# KiCad board !HDMI2USB.kicad_pcb (continued)
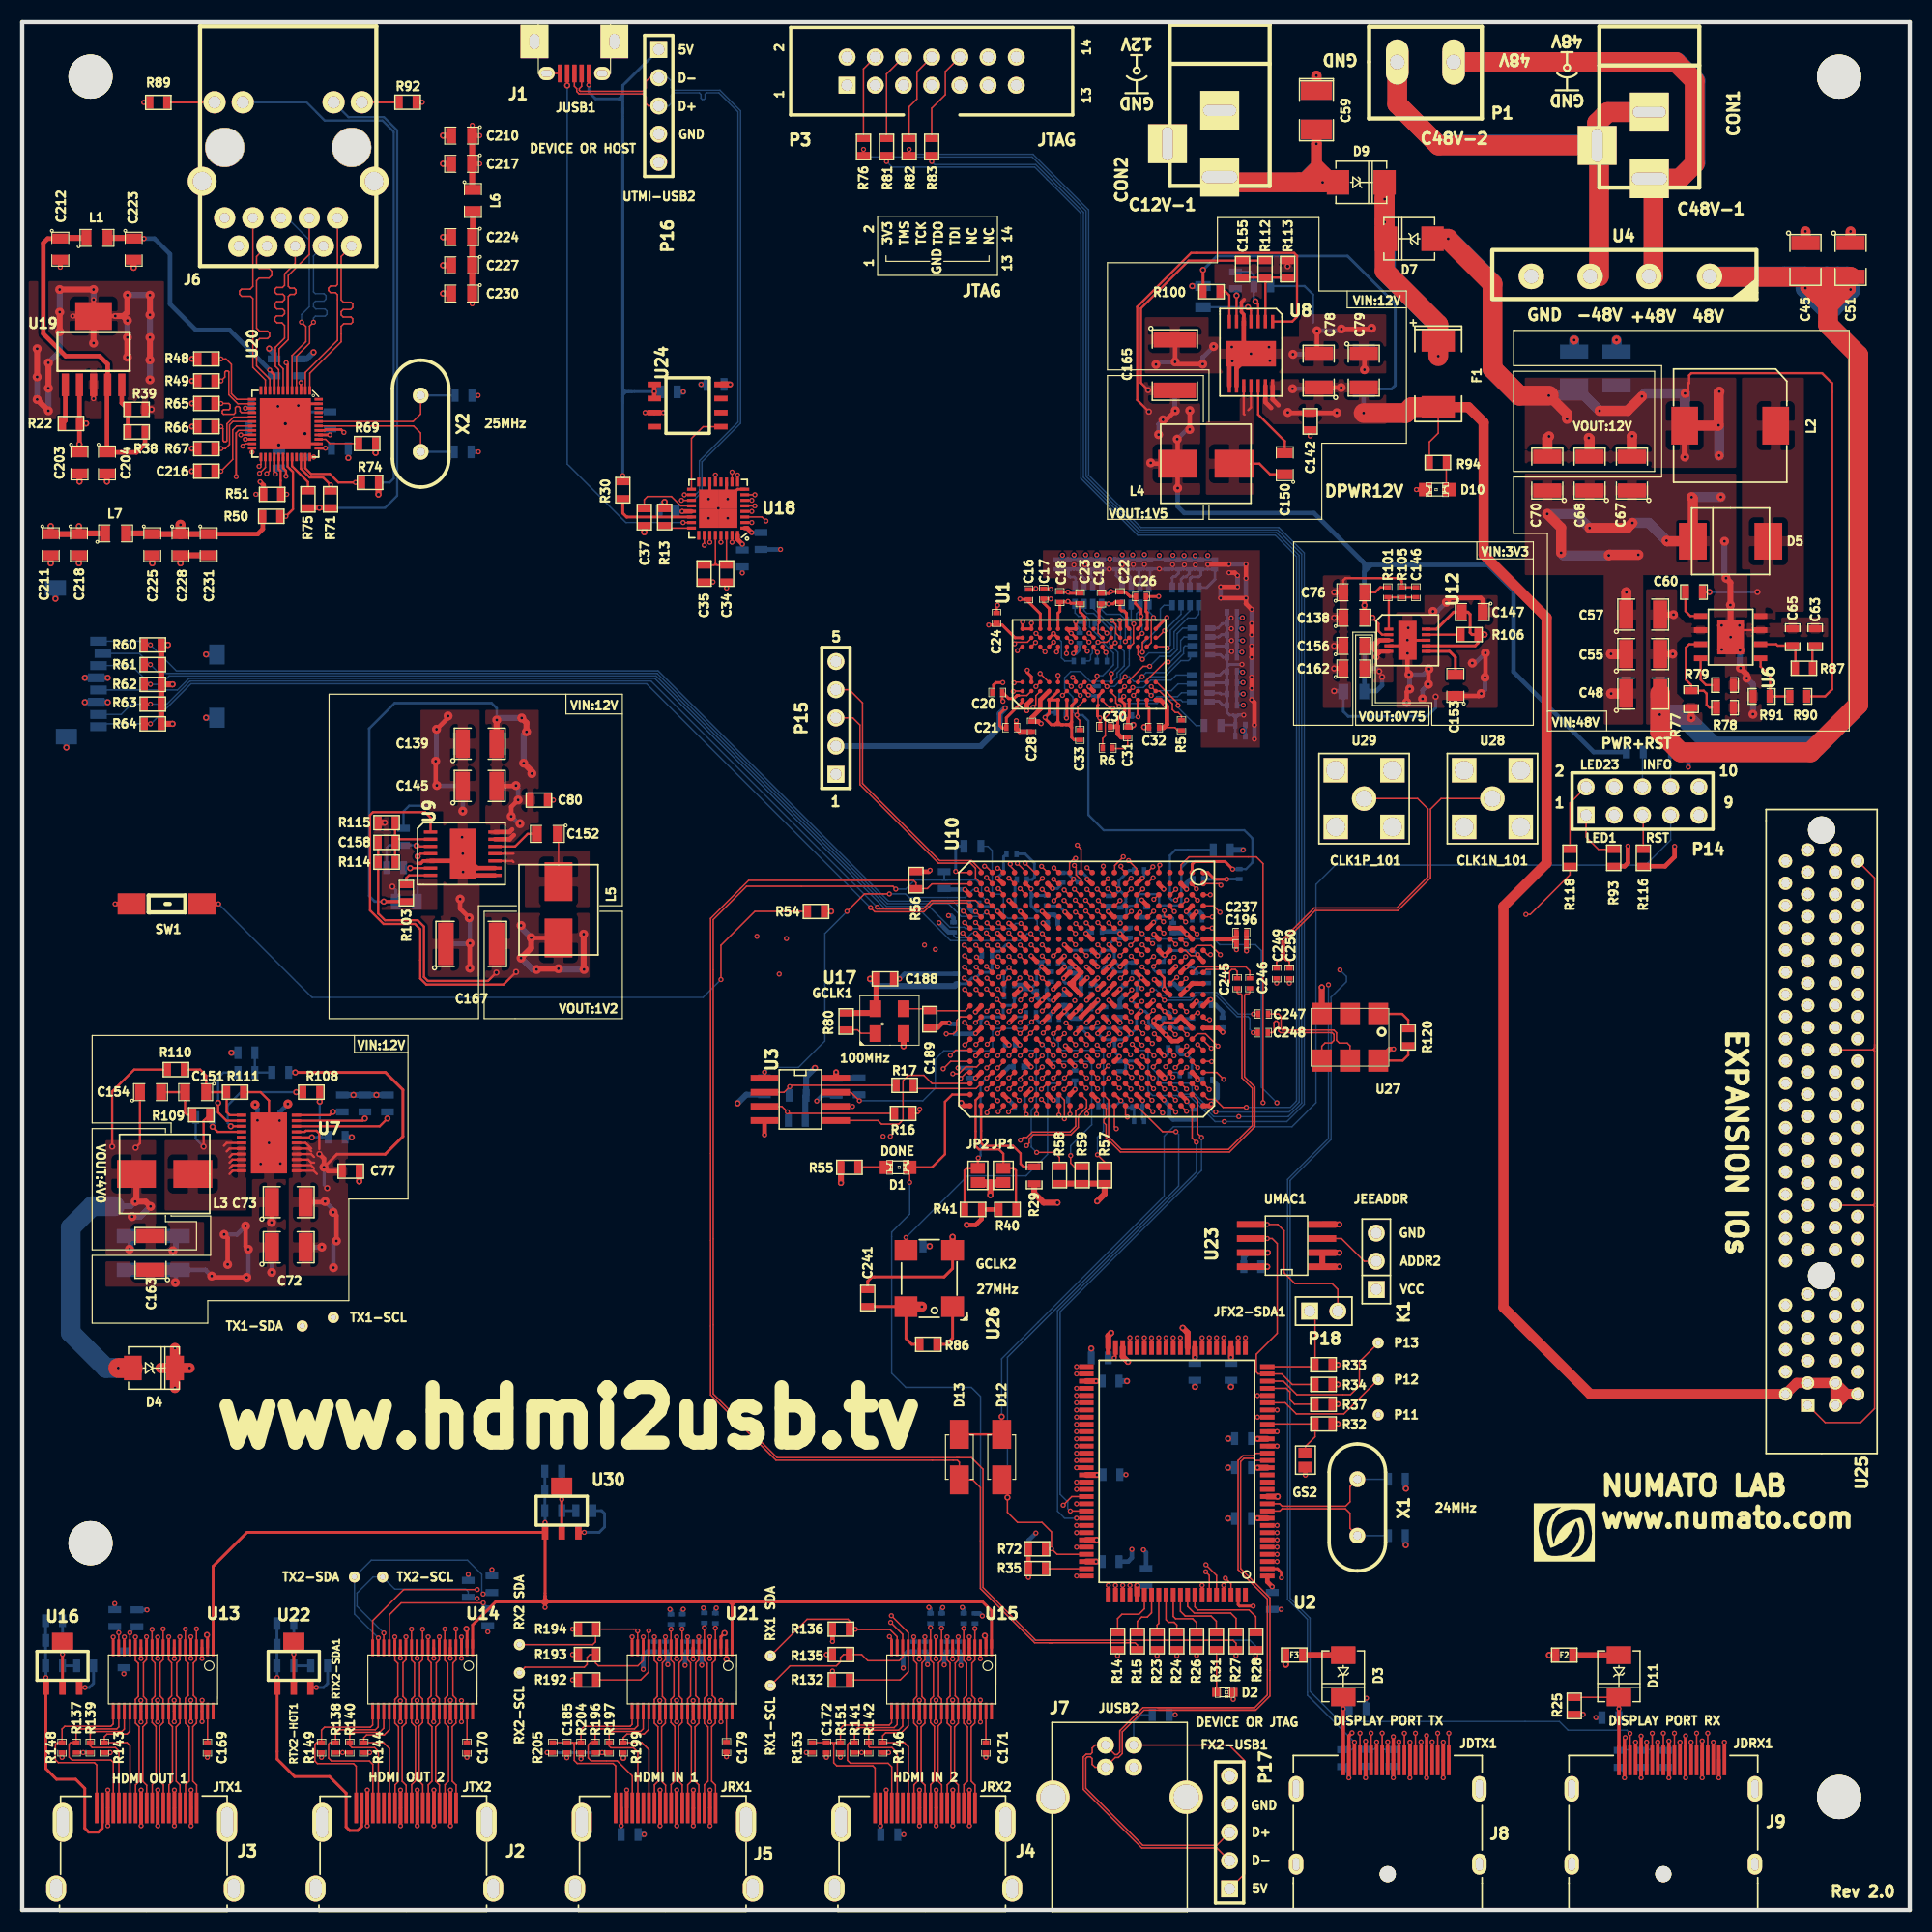
[diagram p0: board, top side]
## Routing (per net, layer and track width the routed paths; a pad name or vN(x,y) marks a point on that pad's centre or on a via; arc(x,y) is an arc through that point) (continued)
/DDR3/DDR0_WE_N: length 54.2
  TOP w0.127: v1(99.87,92.9) 99.38,92.42 U10.H2 ; U1.L3 98.09,110.57 v1(98.09,111.33)
  SIGNAL1-X w0.127: 103.57,114.62 102.84,114.62 102.09,115.37 98.37,115.37 98.17,115.18 98.17,115 98.32,114.84 98.32,114.64 97.96,114.27 97.96,113.93 98.99,112.91 98.99,112.18 98.16,111.35 ; 103.57,114.62 103.82,114.62 107.16,111.28 107.16,103.67 105.97,102.48 105.97,100.76 103.92,98.7 103.92,98.5 104.08,98.33 104.27,98.33 106.55,100.6 106.69,100.6 106.83,100.46 106.83,100.34 103.43,96.93 103.43,96.24 102.8,95.61 102.4,95.61 101.09,94.31 101.09,94.12 v1(99.87,92.9) ; 103.57,114.62 103.57,114.62
  BOTTOM w0.127: v1(98.09,111.33) 98.68,111.91 98.68,113.25 97.91,114.02 97.91,114.45 98.09,114.63 98.09,115.18 96.5,116.76 95.88,116.76 95.62,117.03 R10.6
/DisplayPort/DPRX_LANEN0: length 103
  TOP w0.127: 104.38,87.4 v1(104.82,86.96) ; v1(152.3,15.09) 152.3,13.7
  SIGNAL3-X w0.127: v1(152.3,15.09) 152.3,15.72 152.69,16.1 152.69,51.57 117.3,86.96 113.92,86.96 113.74,86.78 113.74,86.02 113.59,85.87 113.39,85.87 113.25,86.01 113.25,86.76 113.05,86.96 v1(104.82,86.96)
/DisplayPort/DPRX_LANEN1: length 102.9
  TOP w0.127: v1(104.78,85.83) 104.35,85.4 ; J9.6 v1(150.8,15.9)
  SIGNAL3-X w0.127: v1(104.78,85.83) 105.48,85.83 106.13,85.19 116.69,85.19 151.19,50.69 151.19,21.08 151.06,20.96 150.75,20.96 150.63,20.83 150.63,20.63 150.74,20.52 151.06,20.52 151.19,20.39 151.19,20.18 151.04,20.04 150.72,20.04 150.62,19.94 150.62,19.72 150.73,19.61 151.05,19.61 151.19,19.48 151.19,19.13 151.38,18.93 151.83,18.93 151.93,18.83 151.93,18.68 151.84,18.58 151.38,18.58 151.19,18.39 151.19,17.92 151.36,17.74 151.83,17.74 151.92,17.65 151.92,17.44 151.83,17.35 151.36,17.35 151.19,17.17 151.19,16.64 150.8,16.25 v1(150.8,15.9)
/DisplayPort/DPRX_LANEN2: length 103
  TOP w0.127: v1(104.86,80.9) 104.36,81.4 ; 149.3,13.7 v1(149.3,15.09)
  SIGNAL3-X w0.127: 149.7,16.14 149.3,15.74 v1(149.3,15.09) ; 149.7,16.15 149.7,28.88 149.5,29.08 146.93,29.08 146.66,29.35 146.66,29.74 146.93,30.01 149.51,30.01 149.7,30.21 149.7,30.47 149.52,30.65 148.38,30.65 148.28,30.75 148.28,30.99 148.38,31.08 149.52,31.08 149.7,31.27 149.7,49.61 118.03,81.29 105.75,81.29 105.35,80.9 v1(104.86,80.9)
/DisplayPort/DPRX_LANEN3: length 102.9
  TOP w0.127: v1(104.91,78.83) 104.36,79.37 U10.C15 ; v1(147.8,15.9) J9.12
  SIGNAL3-X w0.127: v1(104.91,78.83) 107.41,78.83 108.04,78.19 117.64,78.19 143.32,52.51 143.32,36.75 143.13,36.56 142.39,36.56 142.26,36.43 142.26,36.21 142.37,36.09 143.12,36.09 143.32,35.89 143.32,33.78 143.7,33.41 147.43,33.41 147.6,33.23 147.6,33 147.42,32.82 143.74,32.82 143.32,32.41 143.32,27.46 ; 143.32,27.46 143.88,26.9 147.24,26.9 148.19,25.95 148.19,16.71 147.8,16.32 v1(147.8,15.9)
/DisplayPort/DPRX_LANEP0: length 102.9
  TOP w0.127: v1(103.88,86.96) 103.39,87.44 ; 153.3,13.7 v1(153.3,15.09)
  SIGNAL3-X w0.127: v1(103.88,86.96) 104.21,86.96 104.69,87.44 104.96,87.44 105.21,87.19 117.4,87.19 152.92,51.67 152.92,16.09 153.3,15.7 ; v1(153.3,15.09) 153.3,15.71
/DisplayPort/DPRX_LANEP1: length 102.9
  TOP w0.127: v1(103.74,85.78) 103.38,85.42 ; J9.4 v1(151.8,15.9)
  SIGNAL3-X w0.127: v1(103.74,85.78) 104.43,86.46 106,86.46 107.05,85.42 116.79,85.42 151.42,50.79 151.42,19.27 151.53,19.16 151.94,19.16 152.16,18.94 152.16,18.58 151.94,18.35 151.5,18.35 151.42,18.27 151.42,18.07 151.51,17.98 151.92,17.98 152.15,17.75 152.15,17.34 151.93,17.12 151.53,17.12 151.42,17.01 151.42,16.66 151.8,16.28 v1(151.8,15.9)
/DisplayPort/DPRX_LANEP2: length 103
  TOP w0.127: v1(103.86,80.9) 103.36,81.39 ; 150.3,13.7 150.3,15.1
  SIGNAL3-X w0.127: v1(103.86,80.9) 104.25,80.9 104.43,81.08 104.43,81.93 104.72,82.22 106.21,82.22 106.91,81.52 118.13,81.52 149.94,49.71 149.94,30.11 149.6,29.78 147.02,29.78 146.89,29.65 146.89,29.45 147.03,29.31 149.6,29.31 149.94,28.97 149.94,16.15 150.3,15.78 v1(150.3,15.1)
/DisplayPort/DPRX_LANEP3: length 102.9
  TOP w0.127: v1(103.85,78.82) 103.36,79.31 U10.D15 ; J9.10 v1(148.8,15.9)
  SIGNAL3-X w0.127: v1(148.8,15.9) 148.8,16.33 148.42,16.71 148.42,26.16 147.45,27.13 143.98,27.13 143.56,27.55 143.56,32.31 143.83,32.59 147.52,32.59 147.83,32.9 147.83,33.33 147.52,33.64 143.79,33.64 143.55,33.88 143.55,52.61 117.74,78.43 108.14,78.43 107.34,79.23 104.71,79.23 104.31,78.82 v1(103.85,78.82)
/DisplayPort/DPRXAUXCH_N: length 104.6
  TOP w0.127: U10.T11 91.35,83.42 v1(90.86,83.91) 90.37,84.4 U10.U10 ; 145.3,13.7 v1(145.3,15.1)
  SIGNAL3-X w0.127: v1(145.3,15.1) 145.3,15.77 145.7,16.16 145.7,17.71 137.04,26.36 137.04,50.38 112.05,75.37 104.65,75.37 104.41,75.61 104.41,76.05 104.04,76.42 102.59,76.42 102.4,76.61 102.4,77.2 102.14,77.47 101.61,77.47 101.35,77.72 101.35,78.19 101.08,78.46 100.6,78.46 100.37,78.68 100.37,80.12 100.07,80.42 92.7,80.42 92.39,80.73 92.39,82.37 v1(90.86,83.91)
/DisplayPort/DPRXAUXCH_P: length 104.4
  TOP w0.127: 92.36,83.42 v1(91.87,83.91) U10.T10 91.35,84.41 ; 146.3,13.7 146.3,15.1
  SIGNAL3-X w0.127: v1(91.87,83.91) 92.34,83.44 93.1,83.44 93.37,83.18 93.37,81.6 93.56,81.4 101.09,81.4 101.39,81.11 101.39,78.7 101.63,78.46 102.09,78.46 102.39,78.16 102.39,77.66 102.65,77.39 104.12,77.39 104.41,77.1 104.41,76.54 104.64,76.31 106.06,76.31 106.76,75.61 110.64,75.61 110.89,75.86 111.22,75.86 111.48,75.61 112.17,75.61 137.29,50.49 137.29,26.44 145.93,17.8 145.93,16.15 146.3,15.78 v1(146.3,15.1)
/DisplayPort/DPRXCONFIG1: length 114.8
  TOP w0.127: 86.34,86.42 v1(85.89,86.87) ; v1(147.3,15.1) 147.3,13.7
  SIGNAL3-X w0.127: v1(147.3,15.1) 147.3,16.61 147.04,16.87 147.04,18.83 139.17,26.69 139.17,50.57 112.7,77.04 105.91,77.04 105.42,77.53 105.42,78.09 105.19,78.32 103.72,78.32 103.4,78.64 103.4,83.11 103.18,83.33 101.69,83.33 101.56,83.46 94.74,83.46 94.4,83.8 94.4,86.11 94.08,86.43 86.33,86.43 v1(85.89,86.87)
  BOTTOM w0.127: 148.06,14.43 147.54,14.43 147.3,14.66 v1(147.3,15.1)
/DisplayPort/DPRXCONFIG2: length 115.5
  TOP w0.127: v1(84.84,86.87) 85.29,86.42 U10.AB8 ; J9.14 146.8,15.9
  SIGNAL3-X w0.127: v1(146.8,15.9) 146.8,18.74 138.94,26.6 138.94,50.47 112.6,76.81 105.81,76.81 105.24,77.39 104.46,77.39 104.22,77.62 102.79,77.62 102.62,77.8 102.62,78.28 102.36,78.54 102.36,79.93 102.35,79.93 102.35,82.1 102.04,82.41 94.85,82.41 94.6,82.66 94.6,83.17 94.35,83.42 93.61,83.42 92.91,84.12 92.91,84.96 92.47,85.4 87.44,85.4 86.64,86.2 85.51,86.2 v1(84.84,86.87)
  BOTTOM w0.127: 145.93,14.41 146.59,14.41 146.8,14.63 146.8,15.9
/DisplayPort/DPTX_LANEN0: length 101.3
  TOP w0.127: 106.34,88.41 v1(107.17,88.41) ; J8.3 127.48,15.9
  SIGNAL1-X w0.127: v1(127.48,15.9) 127.48,16.3 127.84,16.66 127.84,18.47 130.94,21.57 130.94,85.01 128.66,87.29 126.83,87.29 126.68,87.43 126.68,87.66 126.83,87.81 127.54,87.81 127.71,87.98 127.71,88.23 127.53,88.41 v1(107.17,88.41)
/DisplayPort/DPTX_LANEN1: length 101.3
  TOP w0.127: v1(107.03,86.02) 106.76,86.02 U10.A8 ; 125.98,13.69 v1(125.98,15.12)
  SIGNAL1-X w0.127: v1(125.98,15.12) 125.98,15.9 126.37,16.29 126.37,18.34 129.69,21.66 129.69,83.82 129.37,84.14 125.99,84.14 125.79,84.34 125.79,84.77 126,84.97 128,84.97 128.19,85.15 128.19,85.42 128,85.6 107.45,85.6 v1(107.03,86.02)
/DisplayPort/DPTX_LANEN2: length 101.3
  TOP w0.127: 106.35,80.41 106.6,80.16 v1(106.94,80.16) ; J8.9 124.48,15.89
  SIGNAL1-X w0.127: v1(124.48,15.9) 124.48,16.35 124.85,16.72 124.85,18.48 128.22,21.85 128.22,78.1 127.77,78.54 122.71,78.54 122.43,78.82 122.43,79.31 122.7,79.58 128.06,79.58 128.21,79.74 128.21,80.01 128.06,80.16 114.05,80.16 113.67,79.79 110.06,79.79 109.69,80.16 v1(106.94,80.16)
/DisplayPort/DPTX_LANEN3: length 101.3
  TOP w0.127: v1(107.09,77.59) 106.36,78.32 U10.A16 ; v1(122.98,15.12) J8.12
  SIGNAL1-X w0.127: v1(107.09,77.59) 107.31,77.38 121.01,77.38 121.78,76.61 126.95,76.61 127.11,76.45 127.11,76.19 126.96,76.04 121.93,76.04 121.73,75.84 121.73,75.27 121.94,75.07 126.91,75.07 127.08,74.89 127.08,74.62 126.9,74.44 124.22,74.44 124.01,74.22 124.01,73.69 124.25,73.44 126.25,73.44 126.44,73.24 126.44,21.48 123.4,18.44 123.4,16.09 122.98,15.67 v1(122.98,15.12)
/DisplayPort/DPTX_LANEP0: length 101.3
  TOP w0.127: v1(105.81,87.88) 105.36,88.33 U10.B6 ; J8.1 128.48,15.9
  SIGNAL1-X w0.127: v1(128.48,15.9) 128.48,16.3 128.07,16.71 128.07,18.38 131.22,21.52 131.22,85.08 127.65,88.65 107.81,88.65 107.61,88.84 106.96,88.84 106.59,88.47 106.59,88.22 106.25,87.88 v1(105.81,87.88)
/DisplayPort/DPTX_LANEP1: length 101.3
  TOP w0.127: v1(107.91,86.02) 107.08,86.85 105.8,86.85 U10.B8 ; 126.98,13.69 126.98,15.12
  SIGNAL1-X w0.127: v1(107.91,86.02) 108.09,85.83 128.09,85.83 128.42,85.51 128.42,85.04 128.11,84.74 126.93,84.74 126.82,84.64 126.82,84.48 126.93,84.37 129.49,84.37 129.92,83.94 129.92,21.56 126.61,18.25 126.61,16.28 126.98,15.9 v1(126.98,15.12)
/DisplayPort/DPTX_LANEP2: length 101.3
  TOP w0.127: v1(105.88,80.78) 105.73,80.78 U10.B14 ; J8.7 v1(125.48,15.9)
  SIGNAL1-X w0.127: v1(105.88,80.78) 107.13,80.78 107.53,80.39 109.78,80.39 110.16,80.02 113.54,80.02 113.91,80.39 128.21,80.39 128.44,80.16 128.44,79.64 128.15,79.35 123.6,79.35 123.43,79.18 123.43,78.95 123.6,78.78 127.88,78.78 128.45,78.21 128.45,21.75 125.08,18.38 125.08,16.72 125.48,16.32 v1(125.48,15.9)
/DisplayPort/DPTX_LANEP3: length 101.3
  TOP w0.127: v1(107.69,77.78) 106.57,78.9 105.85,78.9 U10.B16 ; J8.10 123.98,15.13
  SIGNAL1-X w0.127: v1(123.98,15.13) 123.98,15.73 123.63,16.08 123.63,18.35 126.67,21.39 126.67,73.44 126.44,73.67 125.15,73.67 124.99,73.83 124.99,74.05 125.14,74.2 126.99,74.2 127.31,74.52 127.31,74.99 126.97,75.33 122.11,75.33 121.96,75.48 121.96,75.67 122.1,75.81 127.06,75.81 127.34,76.09 127.34,76.55 127.05,76.84 121.87,76.84 121.11,77.61 107.86,77.61 v1(107.69,77.78)
/DisplayPort/DPTXAUXCH_N: length 98.8
  TOP w0.127: v1(120.48,15.9) 120.48,15.9 J8.17 ; 89.87,78.92 U10.U15 ; U10.V15 89.86,78.92
  SIGNAL1-X w0.127: 123.89,51.83 123.89,22.3 123.78,22.19 123.42,22.19 123.32,22.09 123.32,21.93 123.41,21.84 123.77,21.84 123.89,21.72 123.89,21.26 120.88,18.26 120.88,16.64 120.48,16.25 v1(120.48,15.9) ; 123.89,51.83 123.89,51.83 ; 123.89,51.83 123.89,70.26 120.08,74.07 108.31,74.07 105.95,76.43 101.72,76.43 101.32,76.84 101.32,78.06 101.01,78.37 90.41,78.37 v1(89.86,78.92)
/DisplayPort/DPTXAUXCH_P: length 98.7
  TOP w0.127: 91.28,79.42 v1(90.82,78.95) 90.37,78.5 U10.U16 90.37,78.28 ; J8.15 121.48,15.9
  SIGNAL1-X w0.127: 91.31,79.44 v1(90.82,78.95) 91.31,79.44 ; 91.31,79.44 105,79.44 105.33,79.11 105.33,77.38 107.39,75.31 108.89,75.31 109.91,74.3 120.17,74.3 124.12,70.35 124.12,21.17 121.11,18.16 121.11,16.64 121.48,16.27 v1(121.48,15.9)
/DisplayPort/DPTXCONFIG1: length 111.4
  TOP w0.127: U10.V20 v1(88.87,73.92) ; J8.13 v1(122.48,15.91)
  SIGNAL1-X w0.127: v1(94.79,81.89) 95.34,82.43 104.09,82.43 104.38,82.14 104.38,80.77 106.5,78.64 106.5,77.35 106.8,77.06 107.93,77.06 109.82,75.16 120.62,75.16 125.5,70.28 125.5,21.59 122.48,18.57 122.48,15.91
  SIGNAL4-Y w0.127: v1(88.87,73.92) 89.37,74.42 89.37,80.12 89.63,80.38 93.07,80.38 93.34,80.66 93.34,81.32 93.91,81.89 v1(94.79,81.89)
  BOTTOM w0.127: R42.1 122.67,14.44 122.48,14.62 122.48,15.9
/DisplayPort/DPTXCONFIG2: length 111.6
  TOP w0.127: v1(84.52,74.88) 85.05,75.42 U10.AB19 ; 121.98,13.69 121.98,15.11
  SIGNAL1-X w0.127: v1(84.52,74.88) 85.01,75.37 88.77,75.37 89.34,75.95 89.34,78.99 89.72,79.36 90.16,79.36 90.39,79.59 90.39,80.08 90.71,80.41 95.4,80.41 96.4,81.4 102.18,81.4 102.32,81.27 102.32,80.75 102.67,80.4 104.42,80.4 106.27,78.55 106.27,77.25 106.7,76.83 107.83,76.83 109.73,74.93 120.53,74.93 125.27,70.19 125.27,21.69 122.25,18.67 122.25,16.47 121.98,16.2 v1(121.98,15.11)
  BOTTOM w0.127: R43.1 121.75,14.45 121.98,14.68 v1(121.98,15.11)
/Ethernet/ETH_INT_B: length 107.7
  TOP w0.127: v1(88.86,85.87) 89.32,85.42 ; 19.27,132.99 19.27,133.02 19.49,133.24 U20.20 ; 19.27,132.99 v1(19.27,129.07) 19.27,132.99
  SIGNAL4-Y w0.127: v1(88.86,85.87) 89.32,85.42 90.04,85.42 90.36,85.74 90.36,89.27 90.13,89.5 89.41,89.5 88.3,90.61 88.3,91.26 88.11,91.45 84.22,91.45 83.68,90.91 68.04,90.91 45.4,113.54 45.4,118.27 42.79,120.88 25.56,120.88 19.27,127.17 v1(19.27,129.07)
/Ethernet/ETH_MDC: length 91.2
  TOP w0.127: 89.36,87.46 v1(88.85,87.97)
  TOP w0.203: v1(23.76,129.11) 23.76,129.6 23.5,129.86 23.5,130.84
  SIGNAL3-X w0.127: v1(88.85,87.97) 88.41,88.41 88.41,89.19 88.2,89.4 84.35,89.4 83.38,88.42 72.23,88.42 46.53,114.12 46.53,118.94 41.97,123.5 25.22,123.5 24.3,124.41 24.3,127.85 23.76,128.39 v1(23.76,129.11)
/Ethernet/ETH_MDIO: length 94.1
  TOP w0.127: 91.36,86.42 v1(90.87,86.9) ; 23.2,125.5 R50.2
  TOP w0.203: 24.38,129.5 23.9,129.98 U20.31 ; R50.2 23.2,125.5 v1(23.75,125.5) 24.39,126.14 24.39,129.5
  SIGNAL3-X w0.127: 83.35,88.19 83.34,88.19 ; 83.35,88.19 72.14,88.19 46.3,114.03 46.3,118.85 41.88,123.27 25.12,123.27 23.47,124.92 23.47,125.22 v1(23.75,125.5) ; 83.35,88.19 83.48,88.19 83.75,88.45 87.99,88.45 88.3,88.14 88.3,87.88 88.67,87.51 90.26,87.51 v1(90.87,86.9)
/Ethernet/ETH_RESET_B: length 93.5
  TOP w0.127: 90.35,86.42 v1(89.88,86.89)
  TOP w0.203: U20.29 23.1,129.75 23.27,129.58 R51.1 v1(23.82,127.48)
  SIGNAL3-X w0.127: v1(89.88,86.89) 89.49,87.28 88.58,87.28 88.31,87.54 83.96,87.54 83.54,87.96 72.04,87.96 46.07,113.94 46.07,118.75 41.78,123.04 24.99,123.04 23.24,124.79 23.24,127.23 23.49,127.48 v1(23.82,127.48)
  BOTTOM w0.203: v1(23.82,127.48) R51.1
/Ethernet/ETH_RXCLK: length 118.5
  TOP w0.127: v1(85.9,82.89) 86.36,82.43 U10.AA12 ; C216.2 17.35,129.56 v1(17.9,129.56) 18.96,130.62 18.96,133.29 19.31,133.64 U20.19
  SIGNAL1-X w0.127: v1(17.9,129.56) 17.29,128.96 17.29,128.44 17.46,128.27 18.62,128.27 18.79,128.1 18.79,127.73 18.66,127.6 17.49,127.6 17.29,127.4 17.29,127.12 17.48,126.93 18.59,126.93 18.78,126.74 18.78,126.46 18.6,126.28 17.45,126.28 17.29,126.12 17.29,125.77 17.46,125.6 18.61,125.6 18.77,125.45 18.77,125.12 18.63,124.98 17.46,124.98 17.29,124.82 17.29,124.53 17.45,124.37 18.6,124.37 18.77,124.19 18.77,123.87 18.6,123.7 17.43,123.7 17.29,123.56 17.29,123.22 17.43,123.08 18.58,123.08 18.77,122.9 18.77,122.62 18.59,122.45 17.46,122.45 17.29,122.29 17.29,122.07 17.48,121.88 18.59,121.88 18.73,121.74 18.73,121.51 18.61,121.38 17.44,121.38 17.31,121.25 17.31,121.03 17.44,120.9 18.61,120.9 18.75,120.75 18.75,120.5 18.63,120.38 17.82,120.38 17.62,120.18 17.62,119.6 26.76,110.47 45,110.47 70.82,84.65 82.2,84.65 83.49,83.36 85.43,83.36 v1(85.9,82.89)
/Ethernet/ETH_RXCTL: length 118.6
  TOP w0.127: 90.35,85.42 v1(89.84,85.93) ; v1(17.9,139.67) 18.36,139.67 18.84,139.18 18.84,136.54 19.35,136.04 U20.13 ; R48.2 17.89,139.68
  SIGNAL4-Y w0.127: 89.04,89.37 89.35,89.06 ; 89.35,89.06 89.35,86.42 v1(89.84,85.93) ; 89.35,89.06 89.04,89.37 84.49,89.37 84.2,89.08 84.2,86.03 83.78,85.61 73.01,85.61 45.17,113.45 45.17,118.18 42.7,120.65 25.47,120.65 18.82,127.3 18.82,138.05 18.95,138.19 19.17,138.19 19.28,138.3 19.28,138.47 19.15,138.6 18.97,138.6 18.82,138.75 18.82,139.22 18.37,139.67 v1(17.9,139.67)
/Ethernet/ETH_RXD0: length 118.5
  TOP w0.127: v1(91.87,85.9) 92.35,85.42 ; v1(17.9,137.69) 18.25,138.04 18.25,138.49 18.36,138.6 18.51,138.6 18.61,138.5 18.61,136.45 19.42,135.64 U20.14 ; R49.2 17.9,137.69
  SIGNAL4-Y w0.127: v1(91.87,85.9) 92.07,85.7 92.07,85.5 91.98,85.41 91.75,85.41 91.43,85.08 91.43,84.67 91.1,84.34 90.69,84.34 90.35,84 90.35,83.74 90.08,83.47 86.71,83.47 86.42,83.18 86.42,82.73 86.15,82.46 84.67,82.46 82.44,84.68 72.63,84.68 44.24,113.07 44.24,117.8 43.27,118.77 29.13,118.77 28.17,119.73 23.23,119.73 16.34,126.62 16.34,137.02 17.01,137.69 v1(17.9,137.69)
/Ethernet/ETH_RXD1: length 118.5
  TOP w0.127: 92.35,86.42 v1(91.86,86.91) ; v1(17.9,135.66) 18.61,135.66 18.72,135.55 18.72,135.21 18.61,135.1 18.13,135.1 18.02,134.99 18.02,134.8 18.13,134.69 19.07,134.69 19.19,134.82 19.19,135.28 19.3,135.39 19.5,135.39 19.62,135.27 19.62,134.97 19.75,134.84 U20.16 ; R65.2 17.9,135.66
  SIGNAL4-Y w0.127: 90.33,84.55 90.2,84.42 ; 90.33,84.55 90.2,84.42 ; 90.33,84.55 90.33,84.99 90.75,85.41 91.07,85.41 91.34,85.68 91.34,86.71 91.54,86.91 v1(91.86,86.91) ; 90.2,84.42 86.62,84.42 86.33,84.14 86.33,83.73 86.06,83.45 84.68,83.45 83.22,84.91 72.73,84.91 44.48,113.16 44.48,117.89 43.37,119 29.56,119 29.42,119.14 29.42,119.31 29.56,119.45 30.48,119.45 30.62,119.59 30.62,119.81 30.47,119.96 23.34,119.96 16.57,126.73 16.57,135.27 16.96,135.66 v1(17.9,135.66)
/Ethernet/ETH_RXD2: length 118.5
  TOP w0.127: 88.36,88.44 v1(87.92,88.88) ; v1(17.9,133.58) 18.08,133.4 18.08,132.32 18.19,132.22 18.35,132.22 18.44,132.31 18.44,133.82 19.05,134.44 20.7,134.44 ; R66.2 17.9,133.58
  SIGNAL4-Y w0.127: v1(87.92,88.88) 88.38,88.42 88.38,85.66 88.1,85.38 86.68,85.38 86.39,85.09 86.39,84.65 86.2,84.45 84.57,84.45 83.88,85.14 72.82,85.14 44.71,113.26 44.71,117.99 43.47,119.23 31.13,119.23 31.03,119.33 31.03,119.55 31.14,119.66 34.68,119.66 34.81,119.79 34.81,120.05 34.67,120.19 23.44,120.19 16.81,126.82 16.81,133.26 17.13,133.58 v1(17.9,133.58)
/Ethernet/ETH_RXD3: length 118.6
  TOP w0.127: 87.35,88.41 v1(86.89,88.88) ; v1(17.9,131.6) 18.3,131.6 18.67,131.97 18.67,133.73 18.98,134.04 U20.18 ; R67.2 17.9,131.6
  SIGNAL4-Y w0.127: v1(86.89,88.88) 87.34,88.42 87.34,86.73 86.86,86.25 85.82,86.25 84.95,85.37 72.92,85.37 44.94,113.35 44.94,118.08 43.54,119.48 35.97,119.48 35.85,119.6 35.85,119.83 35.98,119.96 42.63,119.96 42.77,120.09 42.77,120.26 42.6,120.42 23.55,120.42 17.04,126.92 17.04,131.17 17.47,131.6 v1(17.9,131.6)
/Ethernet/ETH_TXCLK: length 118.5
  TOP w0.127: v1(84.88,82.88) 85.34,82.42 U10.AB12 ; 20.7,132.44 v1(20.1,132.44)
  SIGNAL1-X w0.127: v1(20.1,132.44) 19.71,132.44 17.06,129.79 17.06,128.42 16.13,127.48 15.32,127.48 15.15,127.32 15.15,127.08 15.32,126.92 16.94,126.92 17.09,126.77 17.09,126.53 16.95,126.39 15.3,126.39 15.16,126.25 15.16,126 15.3,125.87 16.88,125.87 17.03,125.71 17.03,125.44 16.89,125.29 15.31,125.29 15.17,125.15 15.17,124.94 15.32,124.79 16.91,124.79 17.06,124.63 17.06,124.38 16.9,124.22 15.33,124.22 15.17,124.07 15.17,123.85 15.33,123.69 16.9,123.69 17.06,123.52 17.06,123.25 16.92,123.1 15.35,123.1 15.18,122.93 15.18,122.71 15.37,122.53 16.92,122.53 17.06,122.39 17.06,122.1 16.93,121.97 15.34,121.97 15.18,121.81 15.18,121.57 15.35,121.4 16.87,121.4 17.06,121.21 17.06,119.84 26.66,110.24 44.9,110.24 70.72,84.41 82.1,84.41 83.63,82.88 v1(84.88,82.88)
/Ethernet/ETH_TXCTL: length 118.5
  TOP w0.127: 88.34,86.42 v1(87.88,86.87) ; v1(22.02,129.34) 22.3,129.62 U20.27
  SIGNAL3-X w0.127: v1(22.02,129.34) 22.02,125.68 24.9,122.8 41.67,122.8 41.82,122.65 41.82,122.46 41.69,122.33 28.18,122.33 28.01,122.16 28.01,121.93 28.18,121.76 42.71,121.76 45.83,118.64 45.83,113.84 71.95,87.72 83.45,87.72 83.87,87.31 87.44,87.31 v1(87.88,86.87)
/Ethernet/ETH_TXD0: length 118.5
  TOP w0.127: 88.34,85.42 v1(87.9,85.85) ; v1(19.87,131.82) 20.09,132.04 U20.23
  SIGNAL1-X w0.127: v1(19.87,131.82) 19.87,118.45 20.67,117.65 25.82,117.65 26,117.47 26,117.26 25.83,117.09 21.61,117.09 21.46,116.93 21.46,116.7 21.61,116.55 28.37,116.55 28.57,116.35 28.57,116.08 28.39,115.9 22.73,115.9 22.57,115.74 22.57,115.51 22.69,115.39 28.37,115.39 32.07,111.69 45.64,111.69 71.93,85.4 87.02,85.4 87.48,85.85 v1(87.9,85.85)
/Ethernet/ETH_TXD1: length 118.5
  TOP w0.127: 87.36,86.43 v1(86.92,86.87) ; 20.7,131.28 U20.24
  SIGNAL1-X w0.127: v1(20.7,131.28) 20.1,130.68 20.1,119.88 20.52,119.46 28.65,119.46 28.8,119.31 28.8,119.02 28.66,118.87 20.52,118.87 20.34,118.7 20.34,118.47 20.52,118.3 29.53,118.3 29.71,118.11 29.71,117.84 29.52,117.65 26.47,117.65 26.31,117.49 26.31,117.25 26.47,117.09 28.66,117.09 33.83,111.92 45.74,111.92 72.03,85.63 83.88,85.63 84.64,86.39 86.09,86.39 86.57,86.87 v1(86.92,86.87)
/Ethernet/ETH_TXD2: length 118.6
  TOP w0.127: v1(21.34,130) 21.5,130.17 21.5,130.84 ; U10.AA6 v1(85.86,88.92)
  SIGNAL1-X w0.127: v1(85.86,88.92) 86.38,88.41 86.38,87.71 86.09,87.42 84.77,87.42 84.37,87.02 84.37,86.45 83.79,85.86 72.12,85.86 45.84,112.15 36.55,112.15 28.83,119.86 21.97,119.86 21.84,120 21.84,120.2 22,120.36 28.92,120.36 29.05,120.49 29.05,120.73 28.91,120.87 20.8,120.87 20.6,121.07 20.6,121.29 20.78,121.46 25.68,121.46 25.8,121.58 25.8,121.85 25.64,122 20.92,122 20.34,122.58 20.34,129.01 v1(21.34,130)
/Ethernet/ETH_TXD3: length 118.6
  TOP w0.127: v1(21.37,129.37) 21.9,129.9 U20.26 ; 85.36,88.41 v1(84.87,88.91)
  SIGNAL1-X w0.127: v1(84.87,88.91) 84.34,88.91 84.14,88.71 84.14,86.54 83.69,86.09 72.22,86.09 45.93,112.38 38.2,112.38 29.11,121.47 26.36,121.47 26.2,121.63 26.2,121.84 26.36,121.99 30.12,121.99 30.27,122.14 30.27,122.46 30.1,122.63 20.71,122.63 20.57,122.76 20.57,122.99 20.72,123.14 30.09,123.14 30.25,123.3 30.25,123.56 30.09,123.73 20.9,123.73 20.58,124.05 20.58,128.58 v1(21.37,129.37)
/Ethernet/ETH_VCC1V0: length 49.6
  TOP w0.203: v1(22.81,129.3) 22.7,129.41 U20.28 ; 25.1,137.54 U20.3 ; U20.36 v1(26.25,130.84)
  TOP w0.229: v1(22.29,138.67) 22.7,138.26 U20.9
  TOP w0.254: U20.40 27.71,132.84
  TOP w0.406: v1(10.97,150.51) 10.97,150.51 C223.1
  TOP w0.533: C223.1 9.97,150.58 L1.2
  PWR w0.533: 26.25,131.82 26.25,131.93 26.73,132.41 27.28,132.41 v1(27.71,132.83) ; 26.25,131.82 v1(26.25,130.84) 25.69,130.84 ; 26.25,131.82 26.25,131.39 25.69,130.84 ; v1(22.81,129.3) 22.81,130.07 23.57,130.84 25.69,130.84
  PWR w0.914: v1(22.29,138.67) 23.43,137.54 v1(25.1,137.54) 26.32,137.54 27.71,136.15 v1(27.71,132.83)
  BOTTOM w0.203: C229.1 22.81,129.55 v1(22.81,129.3) ; C234.1 22.68,138.28 v1(22.29,138.67) ; v1(25.1,137.54) 25.1,138.02 C233.1
  BOTTOM w0.254: C226.1 25.47,130.84 v1(26.25,130.84) ; C232.1 27.71,133.37 v1(27.71,132.83)
  BOTTOM w0.406: v1(22.29,138.67) 18.67,142.29 15.63,142.29 13.31,144.62 13.31,149.11 11.91,150.51 v1(10.97,150.51)
/Ethernet/ETH_VCC3V3: length 64.9
  TOP w0.127: v1(19.68,132.83) 19.69,132.84 U20.21 20.1,132.84
  TOP w0.254: U20.37 27.3,131.64 ; U20.15 20.1,135.24
  TOP w0.406: R50.1 21.67,124.36 21.2,123.89 C231.1
  TOP w0.533: L7.2 11.65,123.96 C225.1 C228.1 C231.1 ; R49.1 v1(15.28,137.69) ; R67.1 15.28,131.6 ; R66.1 v1(15.28,133.58) ; R65.1 v1(15.28,135.66)
  TOP w0.914: 14.25,124.74 C228.1
  PWR w0.406: 15.94,132.83 15.28,132.18 ; 15.28,133.58 15.28,133.53 15.97,132.83 v1(19.68,132.83) ; 16.03,136.32 19.01,136.32 v1(20.1,135.24) ; 16.03,136.32 15.81,136.32 15.28,136.85 ; 16.03,136.32 15.36,135.66 v1(15.28,135.66) ; 14.76,128.05 14.25,127.55 14.76,128.05 ; 14.76,128.05 25.5,128.05 27.3,129.86 v1(27.3,131.64) ; 14.89,128.12 14.25,128.75
  PWR w0.914: v1(15.28,137.69) 15.28,137.69 v1(15.28,133.58) 15.28,133.58 v1(15.28,131.6) 14.25,130.57 v2(14.25,124.74)
  BOTTOM w0.127: C219.1 20.43,132.97 20.29,132.83 v1(19.68,132.83)
  BOTTOM w0.254: C214.1 27.82,131.64 v1(27.3,131.64) ; C220.1 20.18,135.32 v1(20.1,135.24)
/Ethernet/LED0: length 46.1
  BOTTOM w0.203: 28.04,162.79 29.38,161.45 32.58,161.45 33.77,160.26 33.77,127.36 32.67,126.26 R70.2
/Ethernet/LED1: length 47.4
  BOTTOM w0.203: R73.2 33.1,128.55 33.46,128.91 33.46,160.13 32.45,161.14 27.25,161.14 25.6,162.79 19.86,162.79
/Ethernet/MAC_SCL: length 59.9
  TOP w0.127: R34.1 114.39,47.31 113.43,48.27 U2.29 111.32,48.27 111.14,48.44 111.14,50.03 113.03,51.92 113.03,60 112.58,60.45 v1(112.13,60.45) U23.6 ; U10.G6 v1(100.86,87.92)
  SIGNAL1-X w0.127: v1(112.13,60.45) 112.55,60.45 113,60.9 v1(113,72.68)
  BOTTOM w0.127: v1(113,72.68) 111.6,74.08 111.6,86.4 111.07,86.92 107.84,86.92 107.33,87.43 101.35,87.43 v1(100.86,87.92)
/Ethernet/MAC_SDA: length 56.5
  TOP w0.127: P18.2 118.49,55.87 117.97,56.39 114.63,56.39 113.65,57.37 113.65,61.16 113.08,61.72 v1(112.13,61.72) U23.5 ; v1(111.75,72.69) 111.75,94.22 111.15,94.83 105.09,94.83 104.36,94.1 U10.C1
  SIGNAL1-X w0.127: v1(111.75,72.69) 112.77,71.67 112.77,61.96 112.53,61.72 v1(112.13,61.72)
/Ethernet/XTAL1_50MHZ: length 14.2
  TOP w0.127: X2.2 35.88,133 35.25,133.64 U20.42
  BOTTOM w0.203: X2.2 C238.1
/Ethernet/XTAL2_50MHZ: length 14.2
  TOP w0.127: X2.1 35.88,134.71 35.21,134.04 U20.43
  BOTTOM w0.203: C235.1 X2.1
/FPGA_Bank_0_3/DEBUG_IO0: length 22.9
  TOP w0.127: P15.3 74.81,107.34 75.45,106.7 75.45,101.34 82.52,94.26 85.4,94.26 85.86,93.8 85.86,92.92 U10.AA2
/FPGA_Bank_0_3/DEBUG_IO1: length 24.3
  TOP w0.127: P15.4 74.49,109.88 75.68,108.69 75.68,101.43 82.62,94.49 85.5,94.49 86.36,93.62 U10.AA1
/FPGA_Bank_0_3/DIFFCLK_A0N: length 81.1
  TOP w0.127: 101.36,79.53 v1(100.95,79.94)
  SIGNAL4-Y w0.127: v1(100.95,79.94) 100.44,79.94 99.96,80.43 99.68,80.43 99.35,80.76 99.35,82.14 99.65,82.45 130.74,82.45 131.84,83.55 131.84,89.44 132.7,90.29 150.53,90.29 151.16,89.67 151.16,83.74 ; 151.16,83.73 152.85,82.04 156.08,82.04 157.05,81.07 157.05,78.21 U25.A30
/FPGA_Bank_0_3/DIFFCLK_A0P: length 81.1
  TOP w0.127: v1(101.87,80.99) 101.36,80.48 U10.F14
  SIGNAL4-Y w0.127: v1(101.87,80.99) 102.25,81.37 107.22,81.37 108.06,82.21 130.85,82.21 132.07,83.44 132.07,89.1 132.24,89.27 134.11,89.27 134.22,89.38 134.22,89.54 134.11,89.65 133.12,89.65 133,89.77 133,89.94 133.12,90.06 150.43,90.06 150.92,89.57 150.92,83.64 152.76,81.8 155.91,81.8 156.81,80.89 156.81,78.12 157.88,77.05 157.88,76.16 158.59,75.45 U25.A29
/FPGA_Bank_0_3/DIFFCLK_A1N: length 81
  TOP w0.127: 100.34,85.42 v1(99.88,85.87)
  SIGNAL1-X w0.127: v1(99.88,85.87) 99.37,86.39 99.37,87.41 101.38,89.42 101.38,91.13 101.65,91.4 102.18,91.4 102.4,91.62 102.4,93.08 103.26,93.94 107.79,93.94 108.3,94.45 149.85,94.45 149.98,94.59 149.98,94.82 150.08,94.91 150.23,94.91 150.34,94.81 150.34,94.58 150.47,94.45 150.86,94.45 151.07,94.67 151.07,96.21 151.29,96.43 151.78,96.43 152.01,96.2 152.01,94.65 152.21,94.45 152.42,94.45 152.62,94.65 152.62,96.15 152.9,96.43 153.27,96.43 153.56,96.14 153.56,94.6 153.7,94.46 153.87,94.46 154.03,94.62 154.03,96.13 154.34,96.44 154.76,96.44 155.03,96.16 155.03,94.61 155.19,94.45 155.37,94.45 155.55,94.62 155.55,96.16 155.83,96.44 156.2,96.44 156.47,96.17 156.47,94.64 156.67,94.45 U25.A48